# Allegro board buddy_lay_rev1.brd (continued)
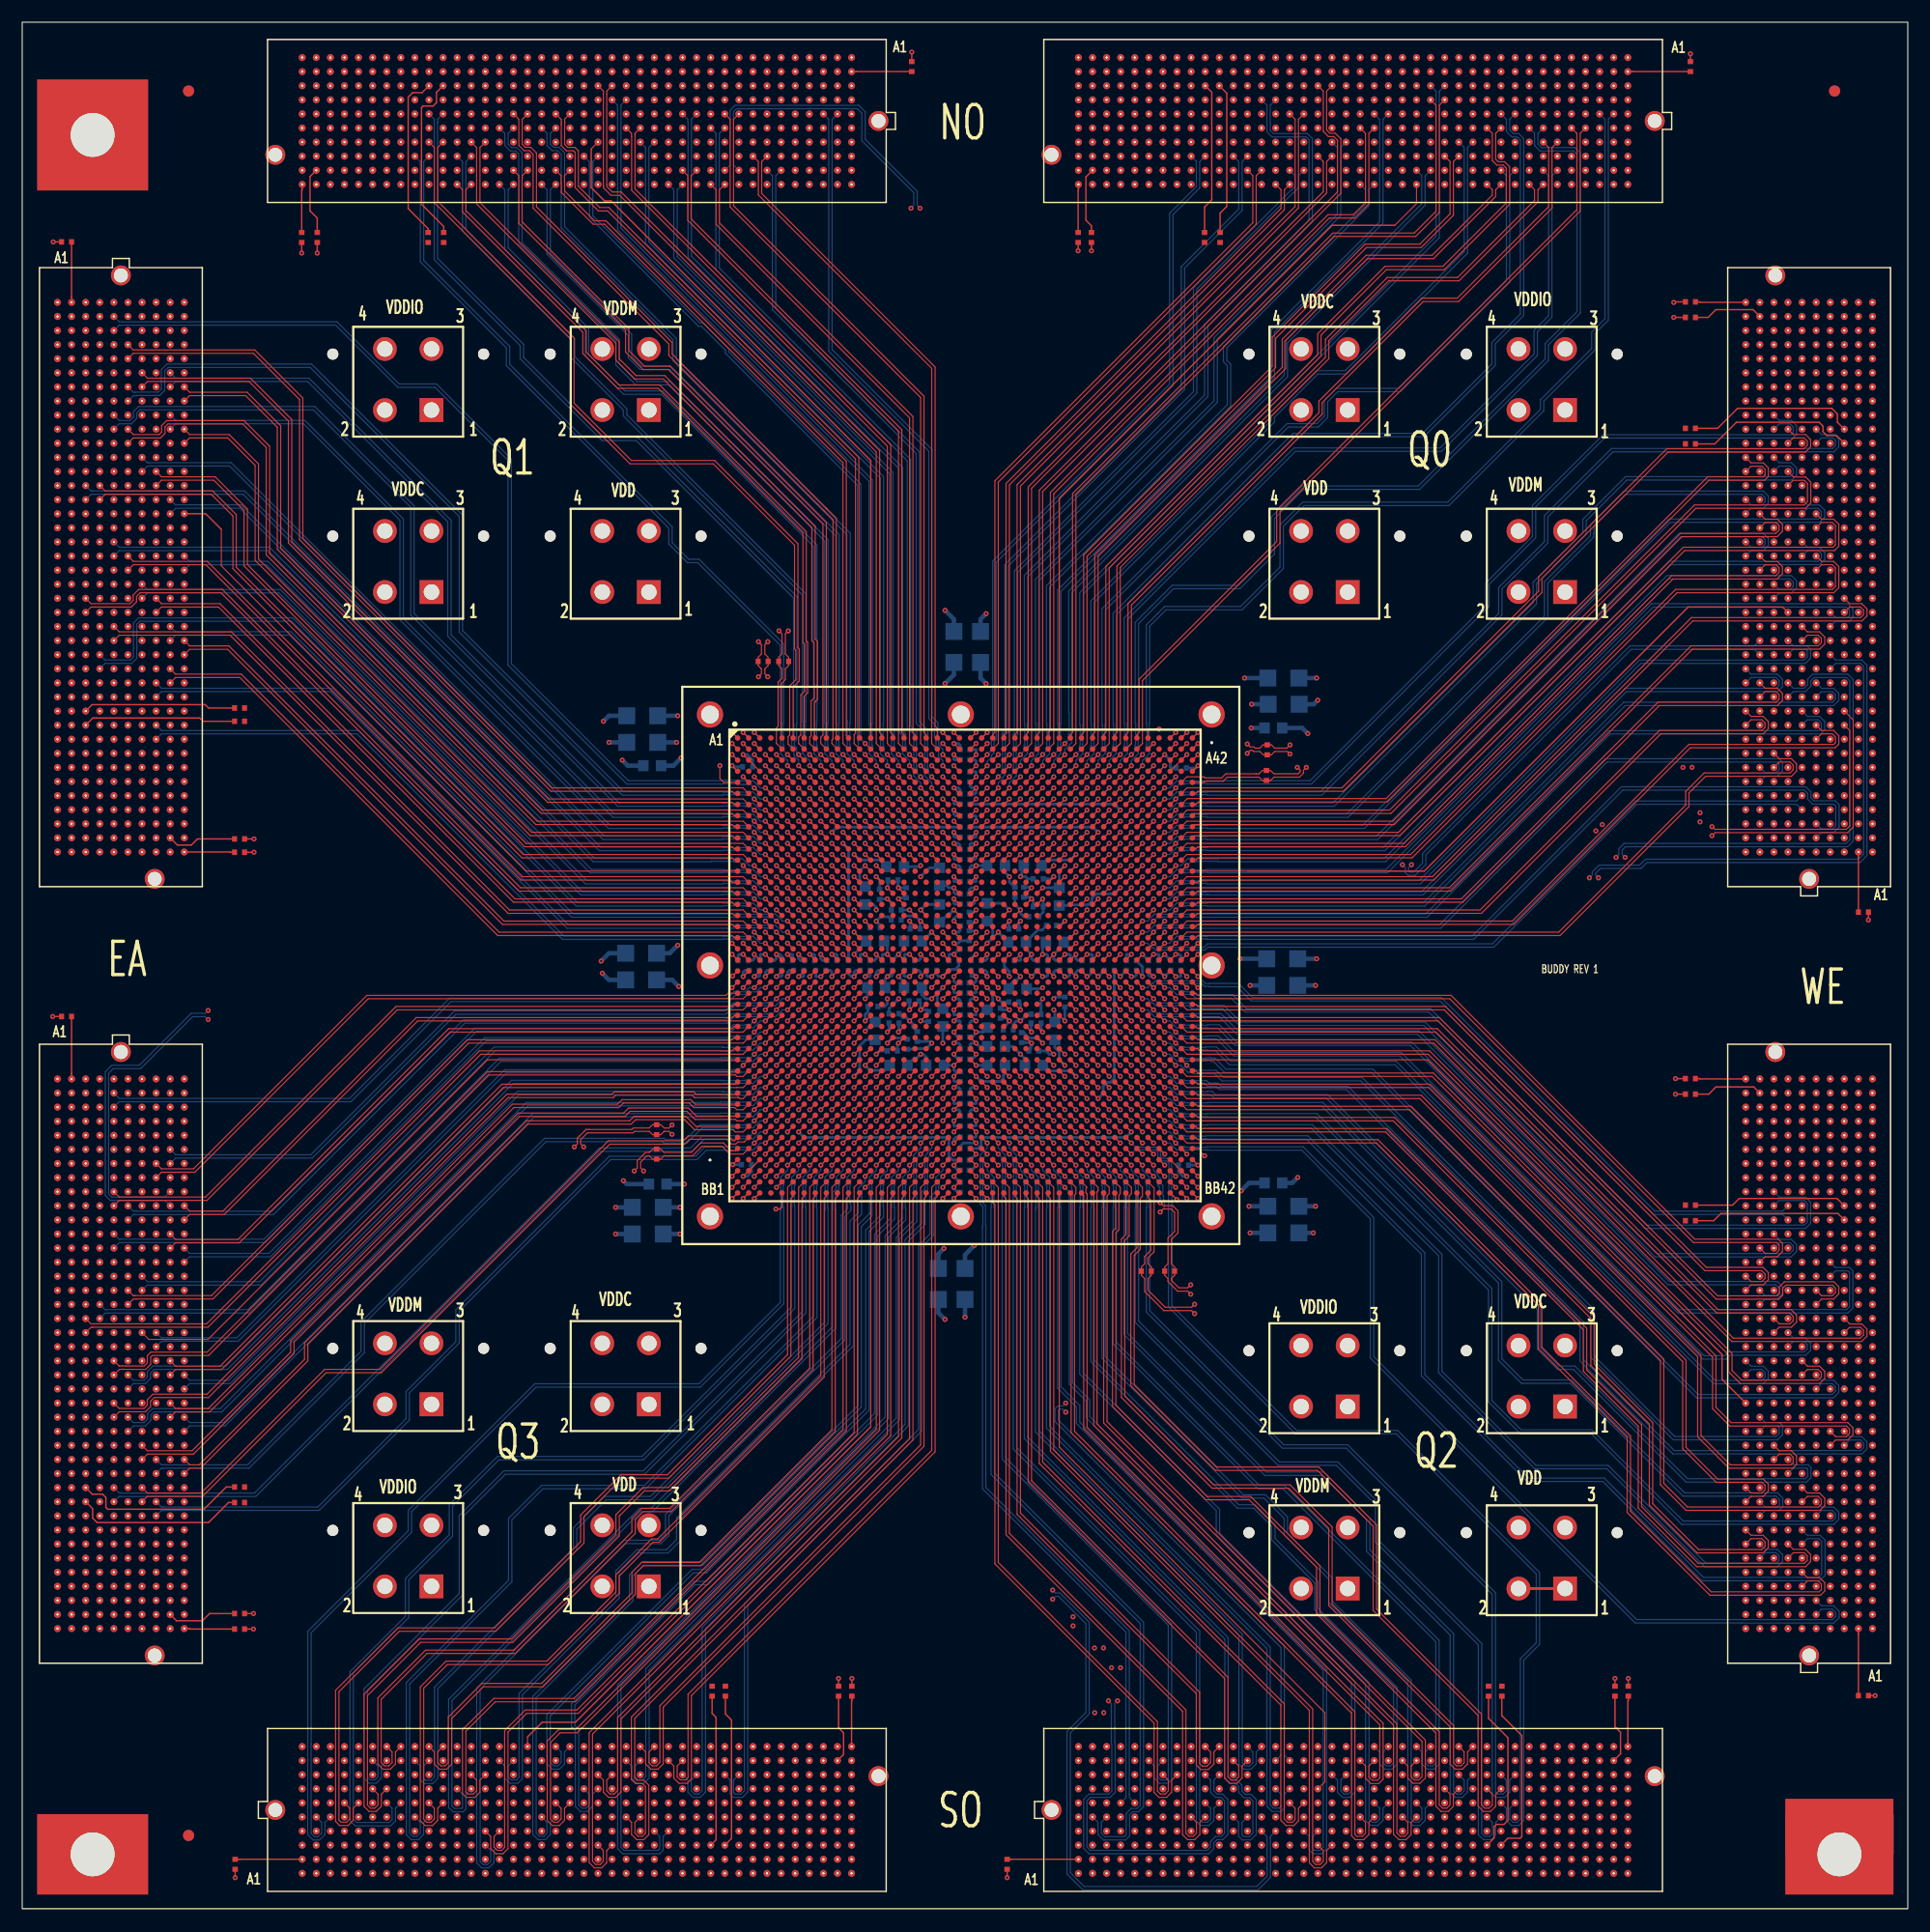
[diagram p0: board, top side]
## Nets (continued)
WE_P66: J4.F31(HB12_P) U1.AC36(WE_P66)
WE_P67: J4.E30(HB13_P) U1.AC34(WE_P67)
WE_P68: J4.K28(HB06_P_CC) U1.AC32(WE_P68)
WE_P69: J4.J27(HB07_P) U1.AD42(WE_P69)
WE_P70: J4.H28(LA24_P) U1.AD38(WE_P70)
WE_P71: J4.G27(LA25_P) U1.AD36(WE_P71)
WE_P72: J4.F28(HB08_P) U1.AD34(WE_P72)
WE_P73: J4.E27(HB09_P) U1.AD32(WE_P73)
WE_P74: J4.K25(HB00_P_CC) U1.AE42(WE_P74)
WE_P75: J4.J24(HB01_P) U1.AE38(WE_P75)
WE_P76: J4.H25(LA21_P) U1.AE36(WE_P76)
WE_P77: J4.G24(LA22_P) U1.AE34(WE_P77)
WE_P78: J4.F25(HB04_P) U1.AE32(WE_P78)
WE_P79: J4.E24(HB05_P) U1.AF42(WE_P79)
WE_P80: J4.D26(LA26_P) U1.AF40(WE_P80)
WE_P81: J4.C26(LA27_P) U1.AF36(WE_P81)
WE_P82: J4.K22(HA23_P) U1.AF34(WE_P82)
WE_P83: J4.J21(HA22_P) U1.AF32(WE_P83)
WE_P84: J4.H22(LA19_P) U1.AG42(WE_P84)
WE_P85: J4.G21(LA20_P) U1.AG40(WE_P85)
WE_P86: J4.F22(HB02_P) U1.AG36(WE_P86)
WE_P87: J4.E21(HB03_P) U1.AG34(WE_P87)
WE_P88: J4.D20(LA17_P_CC) U1.AG32(WE_P88)
WE_P89: J4.C22(LA18_P_CC) U1.AH42(WE_P89)
WE_P90: J4.K19(HA21_P) U1.AH40(WE_P90)
WE_P91: J4.J18(HA18_P) U1.AH38(WE_P91)
WE_P92: J4.H19(LA15_P) U1.AH34(WE_P92)
WE_P93: J4.G18(LA16_P) U1.AH32(WE_P93)
WE_P94: J4.F19(HA19_P) U1.AJ42(WE_P94)
WE_P95: J4.E18(HA20_P) U1.AJ40(WE_P95)
WE_P96: J4.D17(LA13_P) U1.AJ38(WE_P96)
WE_P97: J4.C18(LA14_P) U1.AJ33(WE_P97)
WE_P98: J4.K16(HA17_P_CC) U1.AJ31(WE_P98)
WE_P99: J4.J15(HA14_P) U1.AK41(WE_P99)
WE_P100: J4.H16(LA11_P) U1.AK39(WE_P100)
WE_P101: J4.G15(LA12_P) U1.AK37(WE_P101)
WE_P102: J4.F16(HA15_P) U1.AK35(WE_P102)
WE_P103: J4.E15(HA16_P) U1.AK32(WE_P103)
WE_P104: J4.D14(LA09_P) U1.AL42(WE_P104)
WE_P105: J4.C14(LA10_P) U1.AL40(WE_P105)
WE_P106: J4.K13(HA10_P) U1.AL38(WE_P106)
WE_P107: J4.J12(HA11_P) U1.AL36(WE_P107)
WE_P108: J4.H13(LA07_P) U1.AM42(WE_P108)
WE_P109: J4.G12(LA08_P) U1.AM40(WE_P109)
WE_P110: J4.F13(HA12_P) U1.AM38(WE_P110)
WE_P111: J4.E12(HA13_P) U1.AM36(WE_P111)
WE_P112: J4.K10(HA06_P) U1.AN42(WE_P112)
WE_P113: J4.J9(HA07_P) U1.AN40(WE_P113)
WE_P114: J4.H10(LA04_P) U1.AN38(WE_P114)
WE_P115: J4.G9(LA03_P) U1.AN36(WE_P115)
WE_P116: J4.F10(HA08_P) U1.AP42(WE_P116)
WE_P117: J4.E9(HA09_P) U1.AP40(WE_P117)
WE_P118: J4.D8(LA01_P_CC) U1.AP38(WE_P118)
WE_P119: J4.C10(LA06_P) U1.AP36(WE_P119)
WE_P120: J4.K7(HA02_P) U1.AR42(WE_P120)
WE_P121: J4.J6(HA03_P) U1.AR40(WE_P121)
WE_P122: J4.H7(LA02_P) U1.AR38(WE_P122)
WE_P123: J4.G6(LA00_P_CC) U1.AT42(WE_P123)
WE_P124: J4.F7(HA04_P) U1.AT40(WE_P124)
WE_P125: J4.E6(HA05_P) U1.AT38(WE_P125)
WE_P126: J4.F4(HA00_P_CC) U1.AU42(WE_P126)
WE_P127: J4.E2(HA01_P_CC) U1.AU40(WE_P127)
WE_VADJ0: J3.E39(VADJ) J3.F40(VADJ) J3.G39(VADJ) J3.H40(VADJ) R130.2 R131.2
WE_VADJ1: J4.E39(VADJ) J4.F40(VADJ) J4.G39(VADJ) J4.H40(VADJ) R135.2 R136.2

Pads without a net: J1 B40 C34 D11 D12 D23 D24 D29 D30 D31 D32 D33 D34 D35 H1 K1; J2 B40 C34 D11 D12 D23 D24 D29 D30 D31 D32 D33 D34 D35 H1 K1; J3 B40 C34 D11 D12 D23 D24 D29 D30 D31 D32 D33 D34 D35 H1 K1; J4 B40 C34 D11 D12 D23 D24 D29 D30 D31 D32 D33 D34 D35 H1 K1; J5 B40 C34 D11 D12 D23 D24 D29 D30 D31 D32 D33 D34 D35 H1 K1; J6 B40 C34 D11 D12 D23 D24 D29 D30 D31 D32 D33 D34 D35 H1 K1; J7 B40 C34 D11 D12 D23 D24 D29 D30 D31 D32 D33 D34 D35 H1 K1; J8 B40 C34 D11 D12 D23 D24 D29 D30 D31 D32 D33 D34 D35 H1 K1; J25 1 2 3 4 5 6 7 8; U1 A4 A39 AC13 AC14 AC15 AC16 AC17 AC18 AC25 AC26 AC27 AC28 AC29 AC30 AD13 AD14 AD15 AD16 AD17 AD18 AD25 AD26 AD27 AD28 AD29 AD30 AE13 AE14 AE15 AE16 AE19 AE20 AE23 AE24 AE27 AE28 AE29 AE30 AF14 AF15 AF16 AF19 AF20 AF23 AF24 AF27 AF28 AF29 AG13 AG14 AG17 AG18 AG19 AG20 AG23 AG24 AG25 AG26 AG29 AG30 AH13 AH14 AH17 AH18 AH19 AH20 AH23 AH24 AH25 AH26 AH29 AH30 AJ15 AJ16 AJ17 AJ18 AJ19 AJ20 AJ23 AJ24 AJ25 AJ26 AJ27 AJ28 AK15 AK16 AK17 AK18 AK19 AK20 AK23 AK24 AK25 AK26 AK27 AK28 AW2 AW41 B4 B39 BA4 BA39 BB4 BB39 D2 D41 N15 N16 N17 N18 N19 N20 N23 N24 N25 N26 N27 N28 P15 P16 P17 P18 P19 P20 P23 P24 P25 P26 P27 P28 R13 R14 R17 R18 R19 R20 R23 R24 R25 R26 R29 R30 T13 T14 T17 T18 T19 T20 T23 T24 T25 T26 T29 T30 U13 U14 U15 U16 U19 U20 U23 U24 U27 U28 U29 U30 V14 V15 V16 V19 V20 V23 V24 V27 V28 V29 W13 W14 W15 W16 W17 W18 W25 W26 W27 W28 W29 W30 Y13 Y14 Y15 Y16 Y17 Y18 Y25 Y26 Y27 Y28 Y29 Y30

## Via types
v1: diameter 0.46, hole 0.203, TOP to BOTTOM, 1474 vias

## Routing (per net, layer and track width the routed paths; a pad name or vN(x,y) marks a point on that pad's centre or on a via; arc(x,y) is an arc through that point)
GND: length 16043
  TOP w0.102: U1.AY41 U1.AW40 ; U1.D3 U1.C2 ; U1.D40 U1.C41
  TOP w0.127: U1.AB23 v1(87,84) ; U1.B21 v1(84,105) ; U1.AA6 v1(69,86) ; U1.Y21 v1(84,87) ; U1.BA22 v1(86,65) ; U1.AU17 v1(80,69) ; U1.B20 v1(83,105) ; U1.AA33 v1(97,86) ; U1.AJ9 v1(72,77) ; U1.AT14 v1(77,70) ; U1.AB14 v1(77,84) ; U1.AA41 v1(105,86) ; U1.B40 v1(104,105) ; U1.C2 v1(65,104) ; U1.BB3 v1(66,64) ; U1.AJ7 v1(70,77) ; U1.AB12 v1(75,84) ; U1.AK29 v1(93,76) ; U1.AW24 v1(88,67) ; U1.E6 v1(69,102) ; U1.V26 v1(90,89) ; U1.AM33 v1(97,74) ; U1.AA37 v1(101,86) ; U1.G8 v1(71,100) ; U1.AA16 v1(79,86) ; U1.D21 v1(84,103) ; U1.AA39 v1(103,86) ; U1.G35 v1(99,100) ; U1.AL11 v1(74,75) ; U1.AH8 v1(71,78) ; U1.AF37 v1(101,80) ; U1.AP11 v1(74,72) ; U1.AA2 v1(65,86) ; U1.AW3 U1.AY2 v1(65,66) ; U1.AJ30 v1(94,77) ; U1.H21 v1(84,99) ; U1.K21 v1(84,97) ; U1.AW21 v1(84,67) ; U1.U6 v1(69,90) ; U1.Y22 v1(86,87) ; U1.AN22 v1(86,73) ; U1.AB27 v1(91,84) ; U1.AJ22 v1(86,77) ; U1.A3 v1(66,106) ; U1.AT29 v1(93,70) ; U1.V22 v1(86,89) ; U1.AU22 v1(86,69) ; U1.AJ36 v1(100,77) ; U1.AN32 v1(96,73) ; U1.K22 v1(86,97) ; U1.AE22 v1(86,81) ; U1.C41 v1(105,104) ; U1.BB23 v1(87,64) ; U1.W23 v1(87,88) ; U1.H36 v1(100,99) ; U1.D24 v1(88,103) ; U1.P30 v1(94,93) ; U1.AD39 v1(103,82) ; U1.J12 v1(75,98) ; U1.AY18 v1(81,66) ; U1.AH27 v1(91,78) ; U1.L31 v1(95,96) ; U1.AW22 v1(86,67) ; U1.AF18 v1(81,80) ; U1.AA4 v1(67,86) ; U1.B1 v1(64,105) ; U1.AA23 v1(87,86) ; U1.M21 v1(84,95) ; U1.AD4 v1(67,82) ; U1.G29 v1(93,100) ; U1.M22 v1(86,95) ; U1.AA27 v1(91,86) ; U1.AU5 v1(68,69) ; U1.AE3 v1(66,81) ; U1.AY4 v1(67,66) ; U1.AC1 v1(64,83) ; U1.AK14 v1(77,76) ; U1.K32 v1(96,97) ; U1.AT35 v1(99,70) ; U1.AB35 v1(99,84) ; U1.AH35 v1(99,78) ; U1.AU38 v1(102,69) ; U1.AR36 v1(100,71) ; U1.AJ34 v1(98,77) ; U1.AB8 v1(71,84) ; U1.H15 v1(78,99) ; U1.AV6 v1(69,68) ; U1.BB40 v1(104.1,63.9) ; U1.AF6 v1(69,80) ; U1.J32 v1(96,98) ; U1.M11 v1(74,95) ; U1.AA20 v1(83,86) ; U1.BB20 v1(83,64) ; U1.AB39 v1(103,84) ; U1.AB18 v1(81,84) ; U1.T21 v1(84,91) ; U1.AA18 v1(81,86) ; U1.C25 v1(89,104) ; U1.AB41 v1(105,84) ; U1.BA1 v1(64,65) ; U1.AG5 v1(68,79) ; U1.M32 v1(96,95) ; U1.AY42 v1(106,66) ; U1.AA29 v1(93,86) ; U1.L9 v1(72,96) ; U1.K9 v1(72,97) ; U1.AU21 v1(84,69) ; U1.AC19 v1(82,83) ; U1.BA3 v1(66,65) ; U1.AC21 v1(84,83) ; U1.BA42 v1(106,65) ; U1.D19 v1(82,103) ; U1.AV37 v1(101,68) ; U1.T15 v1(78,91) ; U1.H22 v1(86,99) ; U1.AC42 v1(106,83) ; U1.AC22 v1(86,83) ; U1.P7 v1(70,93) ; U1.AA10 v1(73,86) ; U1.N29 v1(93,94) ; U1.V3 v1(66,89) ; U1.AN21 v1(84,73) ; U1.AG38 v1(102,79) ; U1.AM10 v1(73,74) ; U1.P13 v1(76,93) ; U1.L33 v1(97,96) ; U1.AB29 v1(93,84) ; U1.AM12 v1(75,74) ; U1.AL21 v1(84,75) ; U1.P22 v1(86,93) ; U1.C4 v1(67,104) ; U1.F17 v1(80,101) ; U1.C39 v1(103,104) ; U1.K34 v1(98,97) ; U1.AG28 v1(92,79) ; U1.AT8 v1(71,70) ; U1.AN9 v1(72,73) ; U1.W4 v1(67,88) ; U1.H28 v1(92,99) ; U1.AF25 v1(89,80) ; U1.AR15 v1(78,71) ; U1.AA14 v1(77,86) ; U1.T38 v1(102,91) ; U1.AB37 v1(101,84) ; U1.AM9 v1(72,74) ; U1.AG15 v1(78,79) ; U1.AD20 v1(83,82) ; U1.W39 v1(103,88) ; U1.A20 v1(83,106) ; U1.W20 v1(83,88) ; U1.E37 v1(101,102) ; U1.AY25 v1(89,66) ; U1.AB33 v1(97,84) ; U1.U25 v1(89,90) ; U1.AL32 v1(96,75) ; U1.AE21 v1(84,81) ; U1.AB16 v1(79,84) ; U1.B22 v1(86,105) ; U1.AN34 v1(98,73) ; U1.AR28 v1(92,71) ; U1.AE26 v1(90,81) ; U1.AR22 v1(86,71) ; U1.AH16 v1(79,78) ; U1.J29 v1(93,98) ; U1.L34 v1(98,96) ; U1.E16 v1(79,102) ; U1.AP12 v1(75,72) ; U1.T5 v1(68,91) ; U1.R27 v1(91,92) ; U1.V21 v1(84,89) ; U1.BB2 v1(65,64) ; U1.AB6 v1(69,84) ; U1.D22 v1(86,103) ; U1.AL22 v1(86,75) ; U1.A23 v1(87,106) ; U1.BA21 v1(84,65) ; U1.Y24 v1(88,87) ; U1.AP33 v1(97,72) ; U1.AJ13 v1(76,77) ; U1.AM31 v1(95,74) ; U1.J11 v1(74,98) ; U1.BA40 v1(104,65) ; U1.AB4 v1(67,84) ; U1.AY1 v1(64,66) ; U1.C18 v1(81,104) ; U1.AV27 v1(91,68) ; U1.R8 v1(71,92) ; U1.U18 v1(81,90) ; U1.M34 v1(98,95) ; U1.AC2 v1(65,83) ; U1.AD23 v1(87,82) ; U1.P34 v1(98,93) ; U1.AA35 v1(99,86) ; U1.J33 v1(97,98) ; U1.AN11 v1(74,73) ; U1.A41 v1(105,106) ; U1.P36 v1(100,93) ; U1.B3 v1(66,105) ; U1.G14 v1(77,100) ; U1.AB25 v1(89,84) ; U1.AL34 v1(98,75) ; U1.Y1 v1(64,87) ; U1.AP14 v1(77,72) ; U1.C42 v1(106,104) ; U1.AB2 v1(65,84) ; U1.AB10 v1(73,84) ; U1.Y41 v1(105,87) ; U1.A40 v1(104,106) ; U1.J31 v1(95,98) ; U1.AA31 v1(95,86) ; U1.L12 v1(75,96) ; U1.AL9 v1(72,75) ; U1.C1 v1(64,104) ; U1.A2 v1(65,106) ; U1.L10 v1(73,96) ; U1.AG22 v1(86,79) ; U1.AC41 v1(105,83) ; U1.AV16 v1(79,68) ; U1.AE17 v1(80,81) ; U1.F26 v1(90,101) ; U1.H7 v1(70,99) ; U1.AP31 v1(95,72) ; U1.AJ21 v1(84,77) ; U1.AU26 v1(90,69) ; U1.P21 v1(84,93) ; v1(105,66) U1.AY41 ; U1.AA8 v1(71,86) ; U1.F22 v1(86,101) ; U1.Y19 v1(82,87) ; U1.AB20 v1(83,84) ; U1.AP29 v1(93,72) ; U1.Y2 v1(65,87) ; U1.Y42 v1(106,87) ; U1.B42 v1(106,105) ; U1.AY39 v1(103,66) ; U1.T22 v1(86,91) ; U1.F38 v1(102,101) ; U1.E27 v1(91,102) ; U1.BA20 v1(83,65) ; U1.R35 v1(99,92) ; U1.U37 v1(101,90) ; U1.K11 v1(74,97) ; U1.BB41 v1(105,64) ; U1.AG21 v1(84,79) ; U1.F5 v1(68,101) ; U1.T28 v1(92,91) ; U1.AM34 v1(98,74) ; U1.AA25 v1(89,86) ; U1.AA12 v1(75,86) ; U1.AW19 v1(82,67) ; U1.J10 v1(73,98) ; U1.N14 v1(77,94) ; U1.V40 v1(104,89) ; U1.R16 v1(79,92) ; U1.M9 v1(72,95) ; U1.AP32 v1(96,72) ; U1.B23 v1(87,105) ; U1.AE40 v1(104,81) ; U1.AC24 v1(88,83) ; U1.AP10 v1(73,72) ; U1.V17 v1(80,89) ; U1.P9 v1(72,93) ; U1.AR21 v1(84,71) ; U1.AR7 v1(70,71) ; U1.AB31 v1(95,84) ; U1.J14 v1(77,98) ; U1.F21 v1(84,101) ; U1.BA23 v1(87,65)
  TOP w0.254: J24.1 J24.2
  GND_L2 w0.127: 103.75,93.7 103.83,93.61 103.83,93.39
  GND_L2 w0.254: 112.53,165.54 J2.B26 ; J2.B26 113.01,166.02 ; J2.B26 113.48,165.54 ; J2.B26 113.01,165.07 ; 114.28,2.71 114.28,3.19 ; 114.28,3.19 114.28,3.66 ; 114.28,3.19 113.8,3.19 ; 114.28,3.19 114.75,3.19 ; J4.G8 159.67,34.13 ; J4.G8 158.72,34.13 ; J4.G8 159.19,34.61 ; J4.G8 159.19,33.66 ; J4.J20 157.13,49.37 ; J4.J20 156.18,49.37 ; J4.J20 156.66,48.9 ; J4.J20 156.66,49.85 ; 39.21,9.06 J6.F12 ; J6.F12 38.74,9.54 ; J6.F12 39.21,10.01 ; J6.F12 39.69,9.54 ; J7.G17 10.8,54.93 ; J7.G17 10.8,53.98 ; J7.G17 11.28,54.45 ; J7.G17 10.33,54.45 ; 65.88,14.62 66.36,14.62 ; 65.88,14.62 65.41,14.62 ; 65.88,14.62 65.88,15.09 ; 65.88,14.62 65.88,14.14 ; J3.J38 157.13,142.22 ; J3.J38 156.66,142.69 ; J3.J38 156.66,141.74 ; J3.J38 156.18,142.22 ; 3.19,55.25 3.19,55.72 ; 3.19,55.72 3.19,56.2 ; 3.19,55.72 2.71,55.72 ; 3.19,55.72 3.66,55.72 ; 35.4,161.74 35.4,162.21 ; 35.4,161.74 35.88,161.74 ; 35.4,161.74 34.93,161.74 ; 35.4,161.74 35.4,161.26 ; 159.19,29.85 J4.G5 ; J4.G5 159.67,30.32 ; J4.G5 158.72,30.32 ; J4.G5 159.19,30.8 ; 73.5,9.54 73.98,9.54 ; 73.5,9.54 73.03,9.54 ; 73.5,9.54 73.5,9.06 ; 73.5,9.54 73.5,10.01 ; 27.31,14.62 J6.K3 ; J6.K3 27.78,14.14 ; J6.K3 28.26,14.62 ; J6.K3 27.78,15.09 ; 166.81,55.25 J4.A25 ; J4.A25 166.34,55.72 ; J4.A25 167.29,55.72 ; J4.A25 166.81,56.2 ; J8.B3 4.46,142.69 ; J8.B3 3.98,142.22 ; J8.B3 4.93,142.22 ; J8.B3 4.46,141.74 ; J3.C40 164.28,145.23 ; J3.C40 163.8,144.76 ; J3.C40 164.28,144.28 ; J3.C40 164.75,144.76 ; 130.79,159.99 J2.F12 ; J2.F12 130.79,160.94 ; J2.F12 130.31,160.47 ; J2.F12 131.26,160.47 ; 130.31,10.8 J5.G29 ; J5.G29 130.79,10.33 ; J5.G29 130.79,11.28 ; J5.G29 131.26,10.8 ; 120.15,3.19 120.63,3.19 ; 120.63,3.19 120.63,3.66 ; 120.63,3.19 121.1,3.19 ; 120.63,3.19 120.63,2.71 ; J8.J17 13.35,124.91 ; J8.J17 13.35,123.96 ; J8.J17 12.87,124.44 ; J8.J17 13.82,124.44 ; 165.54,61.6 J4.B30 ; J4.B30 165.54,62.55 ; J4.B30 166.02,62.07 ; J4.B30 165.07,62.07 ; 163.8,134.6 J3.C32 ; J3.C32 164.28,135.07 ; J3.C32 164.28,134.12 ; J3.C32 164.75,134.6 ; 65.88,161.74 65.88,162.21 ; 65.88,161.74 66.36,161.74 ; 65.88,161.74 65.88,161.26 ; 65.88,161.74 65.41,161.74 ; J3.F30 160.94,132.06 ; J3.F30 160.47,132.53 ; J3.F30 160.47,131.58 ; J3.F30 159.99,132.06 ; J4.B11 165.54,38.42 ; J4.B11 165.07,37.94 ; J4.B11 166.02,37.94 ; J4.B11 165.54,37.47 ; 52.3,117.41 J12.2 ; J12.2 51.06,118.65 ; J12.2 53.54,118.65 ; J12.2 52.3,119.89 ; J4.J26 157.13,56.99 ; J4.J26 156.66,56.52 ; J4.J26 156.18,56.99 ; J4.J26 156.66,57.47 ; 60.8,5.25 J6.C29 ; J6.C29 60.8,6.2 ; J6.C29 60.33,5.72 ; J6.C29 61.28,5.72 ; 135.87,9.54 136.34,9.54 ; 135.87,9.54 135.87,10.01 ; 135.87,9.54 135.39,9.54 ; 135.87,9.54 135.87,9.06 ; 14.62,73.03 J7.K2 ; J7.K2 14.62,73.98 ; J7.K2 15.09,73.5 ; J7.K2 14.14,73.5 ; 107.45,10.8 107.93,10.8 ; 107.93,10.8 108.4,10.8 ; 107.93,10.8 107.93,11.28 ; 107.93,10.8 107.93,10.33 ; J5.B11 108.4,4.46 ; J5.B11 107.93,3.98 ; J5.B11 107.93,4.93 ; J5.B11 107.45,4.46 ; 113.8,163 J2.D25 ; J2.D25 114.75,163 ; J2.D25 114.28,163.48 ; J2.D25 114.28,162.53 ; 67.95,10.8 J6.G35 ; J6.G35 68.42,10.33 ; J6.G35 68.42,11.28 ; J6.G35 68.9,10.8 ; J8.B23 4.93,116.82 ; J8.B23 3.98,116.82 ; J8.B23 4.46,116.34 ; J8.B23 4.46,117.29 ; J2.A40 95.7,166.81 ; J2.A40 94.75,166.81 ; J2.A40 95.23,167.29 ; J2.A40 95.23,166.34 ; 3.19,65.88 3.66,65.88 ; 3.19,65.88 2.71,65.88 ; 3.19,65.88 3.19,66.36 ; 3.19,65.88 3.19,65.41 ; J3.J11 156.66,108.4 ; J3.J11 157.13,107.93 ; J3.J11 156.66,107.45 ; J3.J11 156.18,107.93 ; J6.E40 75.25,8.27 ; J6.E40 74.77,8.74 ; J6.E40 74.3,8.27 ; J6.E40 74.77,7.79 ; 35.66,118.65 J11.1 ; J11.1 38.14,118.65 ; J11.1 36.9,117.41 ; J11.1 36.9,119.89 ; 4.46,112.53 J8.B26 ; J8.B26 3.98,113.01 ; J8.B26 4.93,113.01 ; J8.B26 4.46,113.48 ; J7.B14 4.93,58.26 ; J7.B14 4.46,58.74 ; J7.B14 4.46,57.79 ; J7.B14 3.98,58.26 ; 6.52,96.5 7,96.5 ; 7,96.5 7,96.02 ; 7,96.5 7,96.97 ; 7,96.5 7.47,96.5 ; 155.38,108.72 J3.K12 ; J3.K12 155.38,109.67 ; J3.K12 154.91,109.2 ; J3.K12 155.86,109.2 ; 104.12,2.71 104.12,3.19 ; 104.12,3.19 103.64,3.19 ; 104.12,3.19 104.59,3.19 ; 104.12,3.19 104.12,3.66 ; J2.D22 118.09,163.48 ; J2.D22 117.61,163 ; J2.D22 118.09,162.53 ; J2.D22 118.56,163 ; 96.5,14.14 J5.K2 ; J5.K2 96.5,15.09 ; J5.K2 96.97,14.62 ; J5.K2 96.02,14.62 ; 165.07,116.82 J3.B18 ; J3.B18 165.54,117.29 ; J3.B18 165.54,116.34 ; J3.B18 166.02,116.82 ; 156.18,115.55 J3.J17 ; J3.J17 156.66,116.02 ; J3.J17 156.66,115.07 ; J3.J17 157.13,115.55 ; 62.07,14.62 62.07,15.09 ; 62.07,14.62 61.6,14.62 ; 62.07,14.62 62.07,14.14 ; 62.07,14.62 62.55,14.62 ; 101.58,11.6 J5.H6 ; J5.H6 101.1,12.07 ; J5.H6 101.58,12.55 ; J5.H6 102.05,12.07 ; 115.07,164.28 J2.C24 ; J2.C24 115.55,164.75 ; J2.C24 115.55,163.8 ; J2.C24 116.02,164.28 ; J7.F30 9.54,38.42 ; J7.F30 9.54,37.47 ; J7.F30 9.06,37.94 ; J7.F30 10.01,37.94 ; 5.72,140.47 5.72,140.95 ; 5.72,140.95 5.72,141.42 ; 5.72,140.95 6.2,140.95 ; 5.72,140.95 5.25,140.95 ; 14.62,107.45 J8.K30 ; J8.K30 14.62,108.4 ; J8.K30 14.14,107.93 ; J8.K30 15.09,107.93 ; J2.K15 126.98,155.86 ; J2.K15 126.5,155.38 ; J2.K15 126.98,154.91 ; J2.K15 127.45,155.38 ; 113.01,158.72 J2.G26 ; J2.G26 113.01,159.67 ; J2.G26 112.53,159.19 ; J2.G26 113.48,159.19 ; 70.49,161.74 70.96,161.74 ; 70.96,161.74 70.96,161.26 ; 70.96,161.74 71.44,161.74 ; 70.96,161.74 70.96,162.21 ; 109.2,158.72 J2.G29 ; J2.G29 108.72,159.19 ; J2.G29 109.67,159.19 ; J2.G29 109.2,159.67 ; J8.F27 9.54,112.21 ; J8.F27 9.06,111.74 ; J8.F27 9.54,111.26 ; J8.F27 10.01,111.74 ; J3.G5 159.19,100.78 ; J3.G5 159.19,99.83 ; J3.G5 159.67,100.31 ; J3.G5 158.72,100.31 ; 52.71,10.8 J6.G23 ; J6.G23 53.18,10.33 ; J6.G23 53.18,11.28 ; J6.G23 53.66,10.8 ; 6.52,55.72 J7.D16 ; J7.D16 7.47,55.72 ; J7.D16 7,56.2 ; J7.D16 7,55.25 ; 156.18,74.77 J4.J40 ; J4.J40 157.13,74.77 ; J4.J40 156.66,74.3 ; J4.J40 156.66,75.25 ; 13.35,139.68 13.35,140.15 ; 13.35,139.68 12.87,139.68 ; 13.35,139.68 13.82,139.68 ; 13.35,139.68 13.35,139.2 ; 108.72,161.74 109.2,161.74 ; 109.2,161.74 109.2,162.21 ; 109.2,161.74 109.2,161.26 ; 109.2,161.74 109.67,161.74 ; J1.C17 54.93,164.28 ; J1.C17 54.45,163.8 ; J1.C17 54.45,164.75 ; J1.C17 53.98,164.28 ; 139.68,161.74 140.15,161.74 ; 139.68,161.74 139.68,162.21 ; 139.68,161.74 139.2,161.74 ; 139.68,161.74 139.68,161.26 ; 134.6,154.91 J2.K9 ; J2.K9 135.07,155.38 ; J2.K9 134.6,155.86 ; J2.K9 134.12,155.38 ; 166.81,108.72 J3.A12 ; J3.A12 166.34,109.2 ; J3.A12 167.29,109.2 ; J3.A12 166.81,109.67 ; J5.G38 142.69,10.8 ; J5.G38 141.74,10.8 ; J5.G38 142.22,10.33 ; J5.G38 142.22,11.28 ; 13.35,65.41 13.35,65.88 ; 13.35,65.88 13.35,66.36 ; 13.35,65.88 12.87,65.88 ; 13.35,65.88 13.82,65.88 ; J7.B15 4.46,57.47 ; J7.B15 4.93,56.99 ; J7.B15 4.46,56.52 ; J7.B15 3.98,56.99 ; 2.71,99.04 J8.A37 ; J8.A37 3.19,99.51 ; J8.A37 3.19,98.56 ; J8.A37 3.66,99.04 ; J2.C38 98.24,164.28 ; J2.C38 97.77,164.75 ; J2.C38 97.77,163.8 ; J2.C38 97.29,164.28 ; 159.99,128.25 J3.F27 ; J3.F27 160.47,127.77 ; J3.F27 160.94,128.25 ; J3.F27 160.47,128.72 ; J4.J14 156.66,42.23 ; J4.J14 157.13,41.75 ; J4.J14 156.66,41.28 ; J4.J14 156.18,41.75 ; 125.71,166.34 J2.A16 ; J2.A16 125.71,167.29 ; J2.A16 126.18,166.81 ; J2.A16 125.23,166.81 ; J5.H9 105.39,12.55 ; J5.H9 105.39,11.6 ; J5.H9 105.86,12.07 ; J5.H9 104.91,12.07 ; J4.B38 165.54,72.71 ; J4.B38 165.54,71.76 ; J4.B38 166.02,72.23 ; J4.B38 165.07,72.23 ; J7.G26 11.28,43.02 ; J7.G26 10.33,43.02 ; J7.G26 10.8,43.5 ; J7.G26 10.8,42.55 ; 164.28,29.85 J4.C5 ; J4.C5 163.8,30.32 ; J4.C5 164.28,30.8 ; J4.C5 164.75,30.32 ; J3.J14 157.13,111.74 ; J3.J14 156.66,112.21 ; J3.J14 156.66,111.26 ; J3.J14 156.18,111.74 ; J7.D10 7,63.82 ; J7.D10 7.47,63.34 ; J7.D10 7,62.87 ; J7.D10 6.52,63.34 ; J5.H21 120.63,12.55 ; J5.H21 120.63,11.6 ; J5.H21 120.15,12.07 ; J5.H21 121.1,12.07 ; 13.35,144.76 13.35,145.23 ; 13.35,144.76 12.87,144.76 ; 13.35,144.76 13.82,144.76 ; 13.35,144.76 13.35,144.28 ; J8.H39 12.55,96.5 ; J8.H39 12.07,96.02 ; J8.H39 12.07,96.97 ; J8.H39 11.6,96.5 ; J1.C40 25.72,164.28 ; J1.C40 25.24,164.75 ; J1.C40 25.24,163.8 ; J1.C40 24.77,164.28 ; 4.46,67.95 J7.B6 ; J7.B6 3.98,68.42 ; J7.B6 4.93,68.42 ; J7.B6 4.46,68.9 ; J1.G5 70.17,159.19 ; J1.G5 69.69,159.67 ; J1.G5 69.69,158.72 ; J1.G5 69.22,159.19 ; 155.38,120.15 J3.K21 ; J3.K21 154.91,120.63 ; J3.K21 155.38,121.1 ; J3.K21 155.86,120.63 ; J7.K27 15.09,41.75 ; J7.K27 14.62,42.23 ; J7.K27 14.62,41.28 ; J7.K27 14.14,41.75 ; J3.K15 155.38,113.48 ; J3.K15 155.86,113.01 ; J3.K15 155.38,112.53 ; J3.K15 154.91,113.01 ; 7.79,54.45 J7.E17 ; J7.E17 8.27,53.98 ; J7.E17 8.74,54.45 ; J7.E17 8.27,54.93 ; J7.K3 15.09,72.23 ; J7.K3 14.62,72.71 ; J7.K3 14.14,72.23 ; J7.K3 14.62,71.76 ; 161.74,119.36 162.21,119.36 ; 161.74,119.36 161.26,119.36 ; 161.74,119.36 161.74,119.83 ; 161.74,119.36 161.74,118.88 ; 4.46,101.1 4.46,101.58 ; 4.46,101.58 4.46,102.05 ; 4.46,101.58 4.93,101.58 ; 4.46,101.58 3.98,101.58 ; 50.64,156.18 J1.J20 ; J1.J20 50.64,157.13 ; J1.J20 51.12,156.66 ; J1.J20 50.17,156.66 ; 51.91,6.52 J6.D22 ; J6.D22 51.91,7.47 ; J6.D22 52.39,7 ; J6.D22 51.44,7 ; J6.F15 43.02,10.01 ; J6.F15 42.55,9.54 ; J6.F15 43.5,9.54 ; J6.F15 43.02,9.06 ; 121.9,165.07 J2.B19 ; J2.B19 122.37,165.54 ; J2.B19 121.9,166.02 ; J2.B19 121.42,165.54 ; 69.69,161.74 70.17,161.74 ; 69.69,161.74 69.22,161.74 ; 69.69,161.74 69.69,162.21 ; 69.69,161.74 69.69,161.26 ; 101.58,156.18 J2.J35 ; J2.J35 102.05,156.66 ; J2.J35 101.58,157.13 ; J2.J35 101.1,156.66 ; J8.H21 12.07,119.83 ; J8.H21 12.55,119.36 ; J8.H21 12.07,118.88 ; J8.H21 11.6,119.36 ; 70.96,166.34 J1.A4 ; J1.A4 70.49,166.81 ; J1.A4 70.96,167.29 ; J1.A4 71.44,166.81 ; 2.71,69.69 3.19,69.69 ; 3.19,69.69 3.19,69.22 ; 3.19,69.69 3.19,70.17 ; 3.19,69.69 3.66,69.69 ; 100.31,3.19 100.78,3.19 ; 100.31,3.19 100.31,2.71 ; 100.31,3.19 100.31,3.66 ; 100.31,3.19 99.83,3.19 ; 53.98,166.81 J1.A17 ; J1.A17 54.45,167.29 ; J1.A17 54.93,166.81 ; J1.A17 54.45,166.34 ; 10.8,139.68 11.28,139.68 ; 10.8,139.68 10.8,140.15 ; 10.8,139.68 10.33,139.68 ; 10.8,139.68 10.8,139.2 ; 138.41,154.91 J2.K6 ; J2.K6 137.93,155.38 ; J2.K6 138.41,155.86 ; J2.K6 138.88,155.38 ; 10.8,140.47 10.8,140.95 ; 10.8,140.95 10.33,140.95 ; 10.8,140.95 11.28,140.95 ; 10.8,140.95 10.8,141.42 ; 12.07,122.69 J8.H18 ; J8.H18 12.55,123.17 ; J8.H18 12.07,123.64 ; J8.H18 11.6,123.17 ; J8.F15 10.01,126.98 ; J8.F15 9.06,126.98 ; J8.F15 9.54,126.5 ; J8.F15 9.54,127.45 ; J5.K6 101.58,15.09 ; J5.K6 102.05,14.62 ; J5.K6 101.58,14.14 ; J5.K6 101.1,14.62 ; J6.B26 56.99,4.93 ; J6.B26 57.47,4.46 ; J6.B26 56.52,4.46 ; J6.B26 56.99,3.98 ; 35.4,163.8 J1.C32 ; J1.C32 35.88,164.28 ; J1.C32 34.93,164.28 ; J1.C32 35.4,164.75 ; 10.33,135.87 10.8,135.87 ; 10.8,135.87 10.8,135.39 ; 10.8,135.87 10.8,136.34 ; 10.8,135.87 11.28,135.87 ; J3.D13 163,110.94 ; J3.D13 163.48,110.47 ; J3.D13 162.53,110.47 ; J3.D13 163,109.99 ; J8.G17 10.8,124.91 ; J8.G17 10.33,124.44 ; J8.G17 10.8,123.96 ; J8.G17 11.28,124.44 ; J4.C20 164.28,49.85 ; J4.C20 163.8,49.37 ; J4.C20 164.28,48.9 ; J4.C20 164.75,49.37 ; 156.66,71.76 J4.J38 ; J4.J38 157.13,72.23 ; J4.J38 156.18,72.23 ; J4.J38 156.66,72.71 ; J8.D7 7,137.61 ; J8.D7 7,136.66 ; J8.D7 7.47,137.14 ; J8.D7 6.52,137.14 ; 3.19,53.98 3.19,54.45 ; 3.19,54.45 3.19,54.93 ; 3.19,54.45 2.71,54.45 ; 3.19,54.45 3.66,54.45 ; J1.F9 65.09,160.47 ; J1.F9 64.61,159.99 ; J1.F9 64.14,160.47 ; J1.F9 64.61,160.94 ; 59.06,163 J1.D13 ; J1.D13 59.53,162.53 ; J1.D13 59.53,163.48 ; J1.D13 60.01,163 ; 56.5,133.81 J10.1 ; J10.1 55.26,135.05 ; J10.1 56.5,136.29 ; J10.1 57.74,135.05 ; 5.72,39.21 5.72,39.69 ; 5.72,39.21 5.72,38.74 ; 5.72,39.21 5.25,39.21 ; 5.72,39.21 6.2,39.21 ; 157.45,143.49 J3.H39 ; J3.H39 158.4,143.49 ; J3.H39 157.93,143.96 ; J3.H39 157.93,143.01 ; J7.K9 14.62,65.09 ; J7.K9 15.09,64.61 ; J7.K9 14.14,64.61 ; J7.K9 14.62,64.14 ; 25.24,5.72 25.24,6.2 ; 25.24,5.72 24.77,5.72 ; 25.24,5.72 25.24,5.25 ; 25.24,5.72 25.72,5.72 ; J7.B2 4.93,73.5 ; J7.B2 4.46,73.98 ; J7.B2 4.46,73.03 ; J7.B2 3.98,73.5 ; 8.27,112.53 J8.E26 ; J8.E26 8.27,113.48 ; J8.E26 8.74,113.01 ; J8.E26 7.79,113.01 ; 99.04,13.35 99.51,13.35 ; 99.04,13.35 98.56,13.35 ; 99.04,13.35 99.04,12.87 ; 99.04,13.35 99.04,13.82 ; 5.72,64.61 5.72,65.09 ; 5.72,64.61 5.72,64.14 ; 5.72,64.61 5.25,64.61 ; 5.72,64.61 6.2,64.61 ; J6.C28 60.01,5.72 ; J6.C28 59.06,5.72 ; J6.C28 59.53,5.25 ; J6.C28 59.53,6.2 ; 119.36,7.79 J5.E20 ; J5.E20 119.83,8.27 ; J5.E20 119.36,8.74 ; J5.E20 118.88,8.27 ; J5.K24 124.44,15.09 ; J5.K24 123.96,14.62 ; J5.K24 124.91,14.62 ; J5.K24 124.44,14.14 ; 107.45,160.47 J2.F30 ; J2.F30 108.4,160.47 ; J2.F30 107.93,159.99 ; J2.F30 107.93,160.94 ; 166.81,59.06 J4.A28 ; J4.A28 167.29,59.53 ; J4.A28 166.81,60.01 ; J4.A28 166.34,59.53 ; J4.F12 160.94,39.21 ; J4.F12 159.99,39.21 ; J4.F12 160.47,39.69 ; J4.F12 160.47,38.74 ; 101.1,159.19 J2.G35 ; J2.G35 102.05,159.19 ; J2.G35 101.58,158.72 ; J2.G35 101.58,159.67 ; 157.93,123.96 J3.H24 ; J3.H24 157.45,124.44 ; J3.H24 157.93,124.91 ; J3.H24 158.4,124.44 ; J2.B34 103.32,165.54 ; J2.B34 102.37,165.54 ; J2.B34 102.85,165.07 ; J2.B34 102.85,166.02 ; 159.19,134.12 J3.G32 ; J3.G32 159.67,134.6 ; J3.G32 158.72,134.6 ; J3.G32 159.19,135.07 ; J5.E38 142.22,8.74 ; J5.E38 141.74,8.27 ; J5.E38 142.22,7.79 ; J5.E38 142.69,8.27 ; 5.72,104.91 J8.C32 ; J8.C32 5.25,105.39 ; J8.C32 5.72,105.86 ; J8.C32 6.2,105.39 ; 12.07,143.01 J8.H2 ; J8.H2 12.55,143.49 ; J8.H2 11.6,143.49 ; J8.H2 12.07,143.96 ; J3.B34 166.02,137.14 ; J3.B34 165.54,136.66 ; J3.B34 165.54,137.61 ; J3.B34 165.07,137.14 ; 5.72,55.72 5.72,56.2 ; 5.72,55.72 5.25,55.72 ; 5.72,55.72 5.72,55.25 ; 5.72,55.72 6.2,55.72 ; 144.28,166.81 J2.A1 ; J2.A1 144.76,167.29 ; J2.A1 144.76,166.34 ; J2.A1 145.23,166.81 ; 128.25,158.72 J2.G14 ; J2.G14 128.72,159.19 ; J2.G14 127.77,159.19 ; J2.G14 128.25,159.67 ; 7.79,105.39 J8.E32 ; J8.E32 8.27,105.86 ; J8.E32 8.27,104.91 ; J8.E32 8.74,105.39 ; 98.56,163 J2.D37 ; J2.D37 99.51,163 ; J2.D37 99.04,162.53 ; J2.D37 99.04,163.48 ; 133.33,4.46 133.8,4.46 ; 133.33,4.46 132.85,4.46 ; 133.33,4.46 133.33,3.98 ; 133.33,4.46 133.33,4.93 ; J2.A12 131.26,166.81 ; J2.A12 130.79,167.29 ; J2.A12 130.31,166.81 ; J2.A12 130.79,166.34 ; 104.91,5.72 105.39,5.72 ; 105.39,5.72 105.39,5.25 ; 105.39,5.72 105.86,5.72 ; 105.39,5.72 105.39,6.2 ; 6.52,121.9 J8.D19 ; J8.D19 7,122.37 ; J8.D19 7,121.42 ; J8.D19 7.47,121.9 ; 129.04,164.28 J2.C13 ; J2.C13 129.52,164.75 ; J2.C13 129.52,163.8 ; J2.C13 129.99,164.28 ; 47.63,163 J1.D22 ; J1.D22 48.1,162.53 ; J1.D22 48.58,163 ; J1.D22 48.1,163.48 ; 123.17,165.07 J2.B18 ; J2.B18 122.69,165.54 ; J2.B18 123.17,166.02 ; J2.B18 123.64,165.54 ; J6.C32 64.61,6.2 ; J6.C32 65.09,5.72 ; J6.C32 64.61,5.25 ; J6.C32 64.14,5.72 ; J6.D16 44.29,7.47 ; J6.D16 43.82,7 ; J6.D16 44.77,7 ; J6.D16 44.29,6.52 ; 58.26,9.06 58.26,9.54 ; 58.26,9.54 58.74,9.54 ; 58.26,9.54 58.26,10.01 ; 58.26,9.54 57.79,9.54 ; J5.A33 136.34,3.19 ; J5.A33 135.87,3.66 ; J5.A33 135.87,2.71 ; J5.A33 135.39,3.19 ; 11.6,142.22 J8.H3 ; J8.H3 12.07,141.74 ; J8.H3 12.55,142.22 ; J8.H3 12.07,142.69 ; J3.A21 167.29,120.63 ; J3.A21 166.81,120.15 ; J3.A21 166.81,121.1 ; J3.A21 166.34,120.63 ; 111.74,13.35 111.74,13.82 ; 111.74,13.35 112.21,13.35 ; 111.74,13.35 111.26,13.35 ; 111.74,13.35 111.74,12.87 ; 5.72,40.48 5.72,40.96 ; 5.72,40.48 5.25,40.48 ; 5.72,40.48 6.2,40.48 ; 5.72,40.48 5.72,40.01 ; 104.12,5.72 104.12,6.2 ; 104.12,5.72 104.12,5.25 ; 104.12,5.72 104.59,5.72 ; 104.12,5.72 103.64,5.72 ; 37.47,4.46 J6.B11 ; J6.B11 37.94,4.93 ; J6.B11 38.42,4.46 ; J6.B11 37.94,3.98 ; 158.72,45.56 J4.G17 ; J4.G17 159.19,46.04 ; J4.G17 159.67,45.56 ; J4.G17 159.19,45.09 ; 131.58,159.19 J2.G11 ; J2.G11 132.53,159.19 ; J2.G11 132.06,159.67 ; J2.G11 132.06,158.72 ; J6.A40 74.77,3.66 ; J6.A40 75.25,3.19 ; J6.A40 74.3,3.19 ; J6.A40 74.77,2.71 ; 11.6,49.37 J7.H21 ; J7.H21 12.07,49.85 ; J7.H21 12.55,49.37 ; J7.H21 12.07,48.9 ; 97.77,6.52 J5.D3 ; J5.D3 98.24,7 ; J5.D3 97.29,7 ; J5.D3 97.77,7.47 ; J3.K33 155.38,136.34 ; J3.K33 154.91,135.87 ; J3.K33 155.38,135.39 ; J3.K33 155.86,135.87 ; J7.K24 14.62,46.04 ; J7.K24 14.14,45.56 ; J7.K24 14.62,45.09 ; J7.K24 15.09,45.56 ; 3.98,67.15 J7.B7 ; J7.B7 4.46,67.63 ; J7.B7 4.46,66.68 ; J7.B7 4.93,67.15 ; J7.H18 12.07,53.66 ; J7.H18 12.55,53.18 ; J7.H18 12.07,52.71 ; J7.H18 11.6,53.18 ; J6.F9 35.88,9.54 ; J6.F9 34.93,9.54 ; J6.F9 35.4,9.06 ; J6.F9 35.4,10.01 ; J3.C21 164.28,121.1 ; J3.C21 164.75,120.63 ; J3.C21 163.8,120.63 ; J3.C21 164.28,120.15 ; 51.44,4.46 J6.B22 ; J6.B22 52.39,4.46 ; J6.B22 51.91,4.93 ; J6.B22 51.91,3.98 ; 155.38,53.98 J4.K24 ; J4.K24 154.91,54.45 ; J4.K24 155.86,54.45 ; J4.K24 155.38,54.93 ; 103.64,8.27 104.12,8.27 ; 104.12,8.27 104.12,8.74 ; 104.12,8.27 104.59,8.27 ; 104.12,8.27 104.12,7.79 ; 5.72,60.33 5.72,60.8 ; 5.72,60.8 5.25,60.8 ; 5.72,60.8 6.2,60.8 ; 5.72,60.8 5.72,61.28 ; 130.79,7.79 J5.E29 ; J5.E29 130.31,8.27 ; J5.E29 130.79,8.74 ; J5.E29 131.26,8.27 ; 104.91,164.28 J2.C32 ; J2.C32 105.39,164.75 ; J2.C32 105.86,164.28 ; J2.C32 105.39,163.8 ; 4.46,71.76 J7.B3 ; J7.B3 3.98,72.23 ; J7.B3 4.93,72.23 ; J7.B3 4.46,72.71 ; 139.68,14.62 140.15,14.62 ; 139.68,14.62 139.2,14.62 ; 139.68,14.62 139.68,15.09 ; 139.68,14.62 139.68,14.14 ; J6.J26 56.99,13.82 ; J6.J26 56.52,13.35 ; J6.J26 56.99,12.87 ; J6.J26 57.47,13.35 ; 30.32,163.8 J1.C36 ; J1.C36 30.8,164.28 ; J1.C36 29.85,164.28 ; J1.C36 30.32,164.75 ; 14.14,96.5 14.62,96.5 ; 14.62,96.5 14.62,96.02 ; 14.62,96.5 14.62,96.97 ; 14.62,96.5 15.09,96.5 ; 3.19,110.47 3.19,110.94 ; 3.19,110.47 3.19,109.99 ; 3.19,110.47 3.66,110.47 ; 3.19,110.47 2.71,110.47 ; J8.G29 11.28,109.2 ; J8.G29 10.33,109.2 ; J8.G29 10.8,108.72 ; J8.G29 10.8,109.67 ; 128.25,11.6 J5.H27 ; J5.H27 128.72,12.07 ; J5.H27 128.25,12.55 ; J5.H27 127.77,12.07 ; 161.74,123.17 161.74,123.64 ; 161.74,123.17 161.74,122.69 ; 161.74,123.17 161.26,123.17 ; 161.74,123.17 162.21,123.17 ; J3.A28 166.81,129.99 ; J3.A28 166.34,129.52 ; J3.A28 166.81,129.04 ; J3.A28 167.29,129.52 ; 164.28,53.98 J4.C24 ; J4.C24 163.8,54.45 ; J4.C24 164.75,54.45 ; J4.C24 164.28,54.93 ; 128.25,165.07 J2.B14 ; J2.B14 128.25,166.02 ; J2.B14 127.77,165.54 ; J2.B14 128.72,165.54 ; 32.39,165.54 J1.B34 ; J1.B34 32.86,165.07 ; J1.B34 33.34,165.54 ; J1.B34 32.86,166.02 ; J8.E29 8.27,109.67 ; J8.E29 7.79,109.2 ; J8.E29 8.74,109.2 ; J8.E29 8.27,108.72 ; J8.H6 12.55,138.41 ; J8.H6 12.07,137.93 ; J8.H6 11.6,138.41 ; J8.H6 12.07,138.88 ; 3.19,119.36 3.66,119.36 ; 3.19,119.36 2.71,119.36 ; 3.19,119.36 3.19,119.83 ; 3.19,119.36 3.19,118.88 ; 33.66,164.28 J1.C33 ; J1.C33 34.13,163.8 ; J1.C33 34.61,164.28 ; J1.C33 34.13,164.75 ; 3.19,45.56 3.19,46.04 ; 3.19,45.56 3.19,45.09 ; 3.19,45.56 3.66,45.56 ; 3.19,45.56 2.71,45.56 ; 109.2,9.06 J5.F12 ; J5.F12 108.72,9.54 ; J5.F12 109.67,9.54 ; J5.F12 109.2,10.01 ; 123.96,12.07 J5.H24 ; J5.H24 124.44,12.55 ; J5.H24 124.91,12.07 ; J5.H24 124.44,11.6 ; 130.79,2.71 J5.A29 ; J5.A29 131.26,3.19 ; J5.A29 130.79,3.66 ; J5.A29 130.31,3.19 ; J8.F2 10.01,143.49 ; J8.F2 9.54,143.01 ; J8.F2 9.54,143.96 ; J8.F2 9.06,143.49 ; J9.2 33.94,135.05 ; J9.2 32.7,133.81 ; J9.2 32.7,136.29 ; J9.2 31.46,135.05 ; J1.H6 68.9,157.93 ; J1.H6 67.95,157.93 ; J1.H6 68.42,157.45 ; J1.H6 68.42,158.4 ; J1.C20 51.12,164.28 ; J1.C20 50.17,164.28 ; J1.C20 50.64,164.75 ; J1.C20 50.64,163.8 ; J2.H39 96.5,158.4 ; J2.H39 96.5,157.45 ; J2.H39 96.97,157.93 ; J2.H39 96.02,157.93 ; J7.E14 8.27,58.74 ; J7.E14 7.79,58.26 ; J7.E14 8.74,58.26 ; J7.E14 8.27,57.79 ; 144.76,7.79 J5.E40 ; J5.E40 144.28,8.27 ; J5.E40 144.76,8.74 ; J5.E40 145.23,8.27 ; 5.72,97.29 J8.C38 ; J8.C38 5.72,98.24 ; J8.C38 5.25,97.77 ; J8.C38 6.2,97.77 ; 137.86,45.25 J22.1 ; J22.1 139.1,44.01 ; J22.1 139.1,46.49 ; J22.1 140.34,45.25 ; J8.B22 4.46,118.56 ; J8.B22 4.93,118.09 ; J8.B22 3.98,118.09 ; J8.B22 4.46,117.61 ; J5.J35 138.88,13.35 ; J5.J35 138.41,12.87 ; J5.J35 137.93,13.35 ; J5.J35 138.41,13.82 ; 164.28,103.64 J3.C8 ; J3.C8 164.28,104.59 ; J3.C8 163.8,104.12 ; J3.C8 164.75,104.12 ; 58.26,161.74 58.74,161.74 ; 58.26,161.74 58.26,162.21 ; 58.26,161.74 57.79,161.74 ; 58.26,161.74 58.26,161.26 ; J8.H27 12.55,111.74 ; J8.H27 12.07,112.21 ; J8.H27 12.07,111.26 ; J8.H27 11.6,111.74 ; 45.56,10.33 J6.G17 ; J6.G17 45.56,11.28 ; J6.G17 46.04,10.8 ; J6.G17 45.09,10.8 ; J3.G14 159.19,112.21 ; J3.G14 158.72,111.74 ; J3.G14 159.19,111.26 ; J3.G14 159.67,111.74 ; 119.36,12.87 J5.J20 ; J5.J20 119.36,13.82 ; J5.J20 119.83,13.35 